# KiCad board main.kicad_pcb (continued)
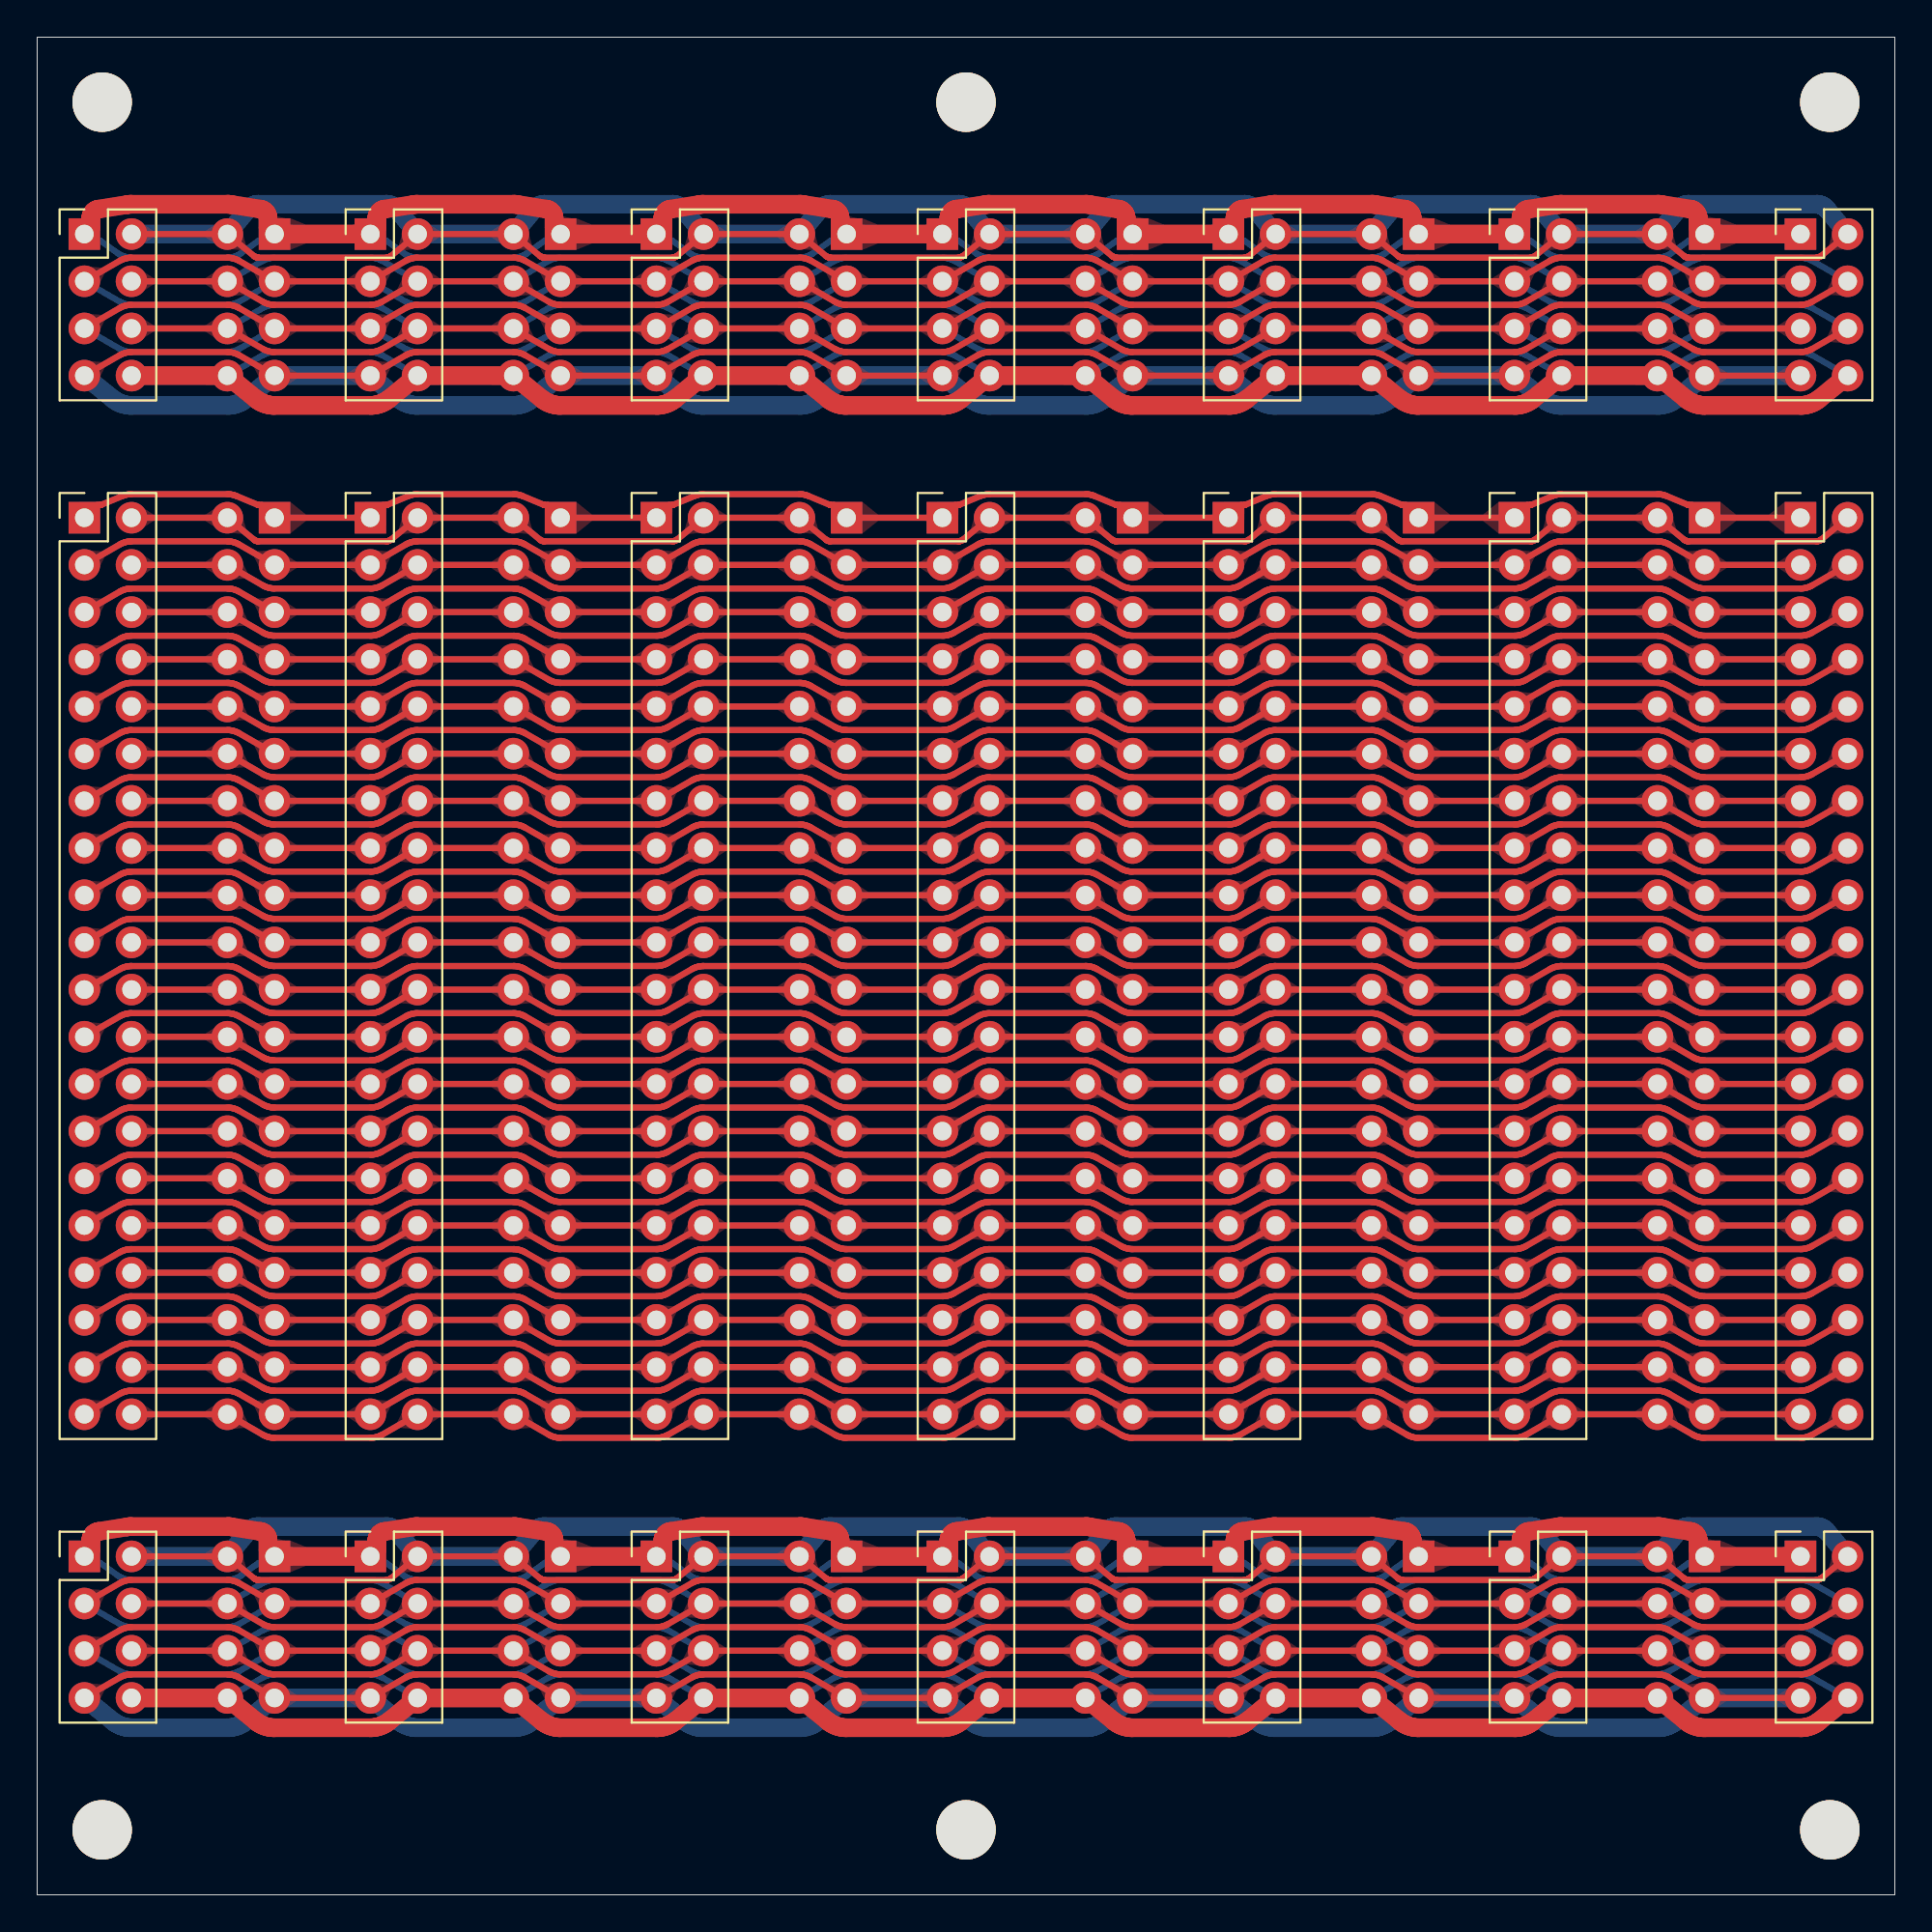
[diagram p0: board, top side]
## Routing (per net, layer and track width the routed paths; a pad name or vN(x,y) marks a point on that pad's centre or on a via; arc(x,y) is an arc through that point) (continued)
F_D0: length 192.5
  Top w0.33: J3.29 4.45,39.67 4.5,39.7 4.55,39.72 4.61,39.75 4.66,39.77 4.72,39.79 4.78,39.8 4.84,39.82 4.9,39.83 4.96,39.83 5.02,39.84 5.08,39.84 10.24,39.84 10.3,39.84 10.36,39.83 10.42,39.83 10.48,39.82 10.54,39.8 10.6,39.79 10.65,39.77 10.71,39.75 10.77,39.72 10.82,39.7 10.87,39.67 J26.29 J12.29 19.84,39.67 19.9,39.7 19.95,39.72 20.01,39.75 20.06,39.77 20.12,39.79 20.18,39.8 20.24,39.82 20.3,39.83 20.36,39.83 20.42,39.84 20.48,39.84 25.63,39.84 25.7,39.84 25.76,39.83 25.82,39.83 25.88,39.82 25.93,39.8 25.99,39.79 26.05,39.77 26.11,39.75 26.16,39.72 26.22,39.7 26.27,39.67 28.17,38.57 J13.29 35.24,39.67 35.29,39.7 35.35,39.72 35.4,39.75 35.46,39.77 35.52,39.79 35.57,39.8 35.63,39.82 35.69,39.83 35.75,39.83 35.81,39.84 35.87,39.84 41.03,39.84 41.09,39.84 41.15,39.83 41.21,39.83 41.27,39.82 41.33,39.8 41.39,39.79 41.45,39.77 41.5,39.75 41.56,39.72 41.61,39.7 41.67,39.67 J28.29 J11.29 50.64,39.67 50.69,39.7 50.74,39.72 50.8,39.75 50.85,39.77 50.91,39.79 50.97,39.8 51.03,39.82 51.09,39.83 51.15,39.83 51.21,39.84 51.27,39.84 56.43,39.84 56.49,39.84 56.55,39.83 56.61,39.83 56.67,39.82 56.73,39.8 56.79,39.79 56.84,39.77 56.9,39.75 56.96,39.72 57.01,39.7 57.06,39.67 J27.29 J25.29 66.03,39.67 66.09,39.7 66.14,39.72 66.2,39.75 66.25,39.77 66.31,39.79 66.37,39.8 66.43,39.82 66.49,39.83 66.55,39.83 66.61,39.84 66.67,39.84 71.83,39.84 71.89,39.84 71.95,39.83 72.01,39.83 72.07,39.82 72.12,39.8 72.18,39.79 72.24,39.77 72.3,39.75 72.35,39.72 72.41,39.7 72.46,39.67 J38.29 J30.29 81.43,39.67 81.48,39.7 81.54,39.72 81.59,39.75 81.65,39.77 81.71,39.79 81.76,39.8 81.82,39.82 81.88,39.83 81.94,39.83 82,39.84 82.06,39.84 87.22,39.84 87.28,39.84 87.34,39.83 87.4,39.83 87.46,39.82 87.52,39.8 87.58,39.79 87.64,39.77 87.69,39.75 87.75,39.72 87.8,39.7 87.86,39.67 J10.29 J29.29
  Bottom w0.33: J3.29 4.45,39.67 4.5,39.7 4.55,39.72 4.61,39.75 4.66,39.77 4.72,39.79 4.78,39.8 4.84,39.82 4.9,39.83 4.96,39.83 5.02,39.84 5.08,39.84 10.24,39.84 10.3,39.84 10.36,39.83 10.42,39.83 10.48,39.82 10.54,39.8 10.6,39.79 10.65,39.77 10.71,39.75 10.77,39.72 10.82,39.7 10.87,39.67 J26.29 J12.29 19.84,39.67 19.9,39.7 19.95,39.72 20.01,39.75 20.06,39.77 20.12,39.79 20.18,39.8 20.24,39.82 20.3,39.83 20.36,39.83 20.42,39.84 20.48,39.84 25.63,39.84 25.7,39.84 25.76,39.83 25.82,39.83 25.88,39.82 25.93,39.8 25.99,39.79 26.05,39.77 26.11,39.75 26.16,39.72 26.22,39.7 26.27,39.67 28.17,38.57 J13.29 35.24,39.67 35.29,39.7 35.35,39.72 35.4,39.75 35.46,39.77 35.52,39.79 35.57,39.8 35.63,39.82 35.69,39.83 35.75,39.83 35.81,39.84 35.87,39.84 41.03,39.84 41.09,39.84 41.15,39.83 41.21,39.83 41.27,39.82 41.33,39.8 41.39,39.79 41.45,39.77 41.5,39.75 41.56,39.72 41.61,39.7 41.67,39.67 J28.29 J11.29 50.64,39.67 50.69,39.7 50.74,39.72 50.8,39.75 50.85,39.77 50.91,39.79 50.97,39.8 51.03,39.82 51.09,39.83 51.15,39.83 51.21,39.84 51.27,39.84 56.43,39.84 56.49,39.84 56.55,39.83 56.61,39.83 56.67,39.82 56.73,39.8 56.79,39.79 56.84,39.77 56.9,39.75 56.96,39.72 57.01,39.7 57.06,39.67 J27.29 J25.29 66.03,39.67 66.09,39.7 66.14,39.72 66.2,39.75 66.25,39.77 66.31,39.79 66.37,39.8 66.43,39.82 66.49,39.83 66.55,39.83 66.61,39.84 66.67,39.84 71.83,39.84 71.89,39.84 71.95,39.83 72.01,39.83 72.07,39.82 72.12,39.8 72.18,39.79 72.24,39.77 72.3,39.75 72.35,39.72 72.41,39.7 72.46,39.67 J38.29 J30.29 81.43,39.67 81.48,39.7 81.54,39.72 81.59,39.75 81.65,39.77 81.71,39.79 81.76,39.8 81.82,39.82 81.88,39.83 81.94,39.83 82,39.84 82.06,39.84 87.22,39.84 87.28,39.84 87.34,39.83 87.4,39.83 87.46,39.82 87.52,39.8 87.58,39.79 87.64,39.77 87.69,39.75 87.75,39.72 87.8,39.7 87.86,39.67 J10.29 J29.29
F_D1: length 192.5
  Top w0.33: J3.21 4.45,49.83 4.5,49.86 4.55,49.88 4.61,49.91 4.66,49.93 4.72,49.95 4.78,49.96 4.84,49.98 4.9,49.99 4.96,49.99 5.02,50 5.08,50 10.24,50 10.3,50 10.36,49.99 10.42,49.99 10.48,49.98 10.54,49.96 10.6,49.95 10.65,49.93 10.71,49.91 10.77,49.88 10.82,49.86 10.87,49.83 J26.21 J12.21 19.84,49.83 19.9,49.86 19.95,49.88 20.01,49.91 20.06,49.93 20.12,49.95 20.18,49.96 20.24,49.98 20.3,49.99 20.36,49.99 20.42,50 20.48,50 25.63,50 25.7,50 25.76,49.99 25.82,49.99 25.88,49.98 25.93,49.96 25.99,49.95 26.05,49.93 26.11,49.91 26.16,49.88 26.22,49.86 26.27,49.83 J9.21 J13.21 35.24,49.83 35.29,49.86 35.35,49.88 35.4,49.91 35.46,49.93 35.52,49.95 35.57,49.96 35.63,49.98 35.69,49.99 35.75,49.99 35.81,50 35.87,50 41.03,50 41.09,50 41.15,49.99 41.21,49.99 41.27,49.98 41.33,49.96 41.39,49.95 41.45,49.93 41.5,49.91 41.56,49.88 41.61,49.86 41.67,49.83 J28.21 J11.21 50.64,49.83 50.69,49.86 50.74,49.88 50.8,49.91 50.85,49.93 50.91,49.95 50.97,49.96 51.03,49.98 51.09,49.99 51.15,49.99 51.21,50 51.27,50 56.43,50 56.49,50 56.55,49.99 56.61,49.99 56.67,49.98 56.73,49.96 56.79,49.95 56.84,49.93 56.9,49.91 56.96,49.88 57.01,49.86 57.06,49.83 J27.21 J25.21 66.03,49.83 66.09,49.86 66.14,49.88 66.2,49.91 66.25,49.93 66.31,49.95 66.37,49.96 66.43,49.98 66.49,49.99 66.55,49.99 66.61,50 66.67,50 71.83,50 71.89,50 71.95,49.99 72.01,49.99 72.07,49.98 72.12,49.96 72.18,49.95 72.24,49.93 72.3,49.91 72.35,49.88 72.41,49.86 72.46,49.83 J38.21 J30.21 81.43,49.83 81.48,49.86 81.54,49.88 81.59,49.91 81.65,49.93 81.71,49.95 81.76,49.96 81.82,49.98 81.88,49.99 81.94,49.99 82,50 82.06,50 87.22,50 87.28,50 87.34,49.99 87.4,49.99 87.46,49.98 87.52,49.96 87.58,49.95 87.64,49.93 87.69,49.91 87.75,49.88 87.8,49.86 87.86,49.83 J10.21 J29.21
  Bottom w0.33: J3.21 4.45,49.83 4.5,49.86 4.55,49.88 4.61,49.91 4.66,49.93 4.72,49.95 4.78,49.96 4.84,49.98 4.9,49.99 4.96,49.99 5.02,50 5.08,50 10.24,50 10.3,50 10.36,49.99 10.42,49.99 10.48,49.98 10.54,49.96 10.6,49.95 10.65,49.93 10.71,49.91 10.77,49.88 10.82,49.86 10.87,49.83 J26.21 J12.21 19.84,49.83 19.9,49.86 19.95,49.88 20.01,49.91 20.06,49.93 20.12,49.95 20.18,49.96 20.24,49.98 20.3,49.99 20.36,49.99 20.42,50 20.48,50 25.63,50 25.7,50 25.76,49.99 25.82,49.99 25.88,49.98 25.93,49.96 25.99,49.95 26.05,49.93 26.11,49.91 26.16,49.88 26.22,49.86 26.27,49.83 J9.21 J13.21 35.24,49.83 35.29,49.86 35.35,49.88 35.4,49.91 35.46,49.93 35.52,49.95 35.57,49.96 35.63,49.98 35.69,49.99 35.75,49.99 35.81,50 35.87,50 41.03,50 41.09,50 41.15,49.99 41.21,49.99 41.27,49.98 41.33,49.96 41.39,49.95 41.45,49.93 41.5,49.91 41.56,49.88 41.61,49.86 41.67,49.83 J28.21 J11.21 50.64,49.83 50.69,49.86 50.74,49.88 50.8,49.91 50.85,49.93 50.91,49.95 50.97,49.96 51.03,49.98 51.09,49.99 51.15,49.99 51.21,50 51.27,50 56.43,50 56.49,50 56.55,49.99 56.61,49.99 56.67,49.98 56.73,49.96 56.79,49.95 56.84,49.93 56.9,49.91 56.96,49.88 57.01,49.86 57.06,49.83 J27.21 J25.21 66.03,49.83 66.09,49.86 66.14,49.88 66.2,49.91 66.25,49.93 66.31,49.95 66.37,49.96 66.43,49.98 66.49,49.99 66.55,49.99 66.61,50 66.67,50 71.83,50 71.89,50 71.95,49.99 72.01,49.99 72.07,49.98 72.12,49.96 72.18,49.95 72.24,49.93 72.3,49.91 72.35,49.88 72.41,49.86 72.46,49.83 J38.21 J30.21 81.43,49.83 81.48,49.86 81.54,49.88 81.59,49.91 81.65,49.93 81.71,49.95 81.76,49.96 81.82,49.98 81.88,49.99 81.94,49.99 82,50 82.06,50 87.22,50 87.28,50 87.34,49.99 87.4,49.99 87.46,49.98 87.52,49.96 87.58,49.95 87.64,49.93 87.69,49.91 87.75,49.88 87.8,49.86 87.86,49.83 J10.21 J29.21
F_D2: length 192.5
  Top w0.33: J3.31 4.45,37.13 4.5,37.16 4.55,37.18 4.61,37.21 4.66,37.23 4.72,37.25 4.78,37.26 4.84,37.28 4.9,37.29 4.96,37.29 5.02,37.3 5.08,37.3 10.24,37.3 10.3,37.3 10.36,37.29 10.42,37.29 10.48,37.28 10.54,37.26 10.6,37.25 10.65,37.23 10.71,37.21 10.77,37.18 10.82,37.16 10.87,37.13 J26.31 J12.31 19.84,37.13 19.9,37.16 19.95,37.18 20.01,37.21 20.06,37.23 20.12,37.25 20.18,37.26 20.24,37.28 20.3,37.29 20.36,37.29 20.42,37.3 20.48,37.3 25.63,37.3 25.7,37.3 25.76,37.29 25.82,37.29 25.88,37.28 25.93,37.26 25.99,37.25 26.05,37.23 26.11,37.21 26.16,37.18 26.22,37.16 26.27,37.13 28.17,36.03 J13.31 35.24,37.13 35.29,37.16 35.35,37.18 35.4,37.21 35.46,37.23 35.52,37.25 35.57,37.26 35.63,37.28 35.69,37.29 35.75,37.29 35.81,37.3 35.87,37.3 41.03,37.3 41.09,37.3 41.15,37.29 41.21,37.29 41.27,37.28 41.33,37.26 41.39,37.25 41.45,37.23 41.5,37.21 41.56,37.18 41.61,37.16 41.67,37.13 J28.31 J11.31 50.64,37.13 50.69,37.16 50.74,37.18 50.8,37.21 50.85,37.23 50.91,37.25 50.97,37.26 51.03,37.28 51.09,37.29 51.15,37.29 51.21,37.3 51.27,37.3 56.43,37.3 56.49,37.3 56.55,37.29 56.61,37.29 56.67,37.28 56.73,37.26 56.79,37.25 56.84,37.23 56.9,37.21 56.96,37.18 57.01,37.16 57.06,37.13 J27.31 J25.31 66.03,37.13 66.09,37.16 66.14,37.18 66.2,37.21 66.25,37.23 66.31,37.25 66.37,37.26 66.43,37.28 66.49,37.29 66.55,37.29 66.61,37.3 66.67,37.3 71.83,37.3 71.89,37.3 71.95,37.29 72.01,37.29 72.07,37.28 72.12,37.26 72.18,37.25 72.24,37.23 72.3,37.21 72.35,37.18 72.41,37.16 72.46,37.13 J38.31 J30.31 81.43,37.13 81.48,37.16 81.54,37.18 81.59,37.21 81.65,37.23 81.71,37.25 81.76,37.26 81.82,37.28 81.88,37.29 81.94,37.29 82,37.3 82.06,37.3 87.22,37.3 87.28,37.3 87.34,37.29 87.4,37.29 87.46,37.28 87.52,37.26 87.58,37.25 87.64,37.23 87.69,37.21 87.75,37.18 87.8,37.16 87.86,37.13 J10.31 J29.31
  Bottom w0.33: J3.31 4.45,37.13 4.5,37.16 4.55,37.18 4.61,37.21 4.66,37.23 4.72,37.25 4.78,37.26 4.84,37.28 4.9,37.29 4.96,37.29 5.02,37.3 5.08,37.3 10.24,37.3 10.3,37.3 10.36,37.29 10.42,37.29 10.48,37.28 10.54,37.26 10.6,37.25 10.65,37.23 10.71,37.21 10.77,37.18 10.82,37.16 10.87,37.13 J26.31 J12.31 19.84,37.13 19.9,37.16 19.95,37.18 20.01,37.21 20.06,37.23 20.12,37.25 20.18,37.26 20.24,37.28 20.3,37.29 20.36,37.29 20.42,37.3 20.48,37.3 25.63,37.3 25.7,37.3 25.76,37.29 25.82,37.29 25.88,37.28 25.93,37.26 25.99,37.25 26.05,37.23 26.11,37.21 26.16,37.18 26.22,37.16 26.27,37.13 28.17,36.03 J13.31 35.24,37.13 35.29,37.16 35.35,37.18 35.4,37.21 35.46,37.23 35.52,37.25 35.57,37.26 35.63,37.28 35.69,37.29 35.75,37.29 35.81,37.3 35.87,37.3 41.03,37.3 41.09,37.3 41.15,37.29 41.21,37.29 41.27,37.28 41.33,37.26 41.39,37.25 41.45,37.23 41.5,37.21 41.56,37.18 41.61,37.16 41.67,37.13 J28.31 J11.31 50.64,37.13 50.69,37.16 50.74,37.18 50.8,37.21 50.85,37.23 50.91,37.25 50.97,37.26 51.03,37.28 51.09,37.29 51.15,37.29 51.21,37.3 51.27,37.3 56.43,37.3 56.49,37.3 56.55,37.29 56.61,37.29 56.67,37.28 56.73,37.26 56.79,37.25 56.84,37.23 56.9,37.21 56.96,37.18 57.01,37.16 57.06,37.13 J27.31 J25.31 66.03,37.13 66.09,37.16 66.14,37.18 66.2,37.21 66.25,37.23 66.31,37.25 66.37,37.26 66.43,37.28 66.49,37.29 66.55,37.29 66.61,37.3 66.67,37.3 71.83,37.3 71.89,37.3 71.95,37.29 72.01,37.29 72.07,37.28 72.12,37.26 72.18,37.25 72.24,37.23 72.3,37.21 72.35,37.18 72.41,37.16 72.46,37.13 J38.31 J30.31 81.43,37.13 81.48,37.16 81.54,37.18 81.59,37.21 81.65,37.23 81.71,37.25 81.76,37.26 81.82,37.28 81.88,37.29 81.94,37.29 82,37.3 82.06,37.3 87.22,37.3 87.28,37.3 87.34,37.29 87.4,37.29 87.46,37.28 87.52,37.26 87.58,37.25 87.64,37.23 87.69,37.21 87.75,37.18 87.8,37.16 87.86,37.13 J10.31 J29.31
F_D3: length 192.5
  Top w0.33: J29.25 J10.25 87.86,44.75 87.8,44.78 87.75,44.8 87.69,44.83 87.64,44.85 87.58,44.87 87.52,44.88 87.46,44.9 87.4,44.91 87.34,44.91 87.28,44.92 87.22,44.92 82.06,44.92 82,44.92 81.94,44.91 81.88,44.91 81.82,44.9 81.76,44.88 81.71,44.87 81.65,44.85 81.59,44.83 81.54,44.8 81.48,44.78 81.43,44.75 J30.25 J38.25 72.46,44.75 72.41,44.78 72.35,44.8 72.3,44.83 72.24,44.85 72.18,44.87 72.12,44.88 72.07,44.9 72.01,44.91 71.95,44.91 71.89,44.92 71.83,44.92 66.67,44.92 66.61,44.92 66.55,44.91 66.49,44.91 66.43,44.9 66.37,44.88 66.31,44.87 66.25,44.85 66.2,44.83 66.14,44.8 66.09,44.78 66.03,44.75 J25.25 J27.25 57.06,44.75 57.01,44.78 56.96,44.8 56.9,44.83 56.84,44.85 56.79,44.87 56.73,44.88 56.67,44.9 56.61,44.91 56.55,44.91 56.49,44.92 56.43,44.92 51.27,44.92 51.21,44.92 51.15,44.91 51.09,44.91 51.03,44.9 50.97,44.88 50.91,44.87 50.85,44.85 50.8,44.83 50.74,44.8 50.69,44.78 50.64,44.75 J11.25 J28.25 41.67,44.75 41.61,44.78 41.56,44.8 41.5,44.83 41.45,44.85 41.39,44.87 41.33,44.88 41.27,44.9 41.21,44.91 41.15,44.91 41.09,44.92 41.03,44.92 35.87,44.92 35.81,44.92 35.75,44.91 35.69,44.91 35.63,44.9 35.57,44.88 35.52,44.87 35.46,44.85 35.4,44.83 35.35,44.8 35.29,44.78 35.24,44.75 J13.25 28.17,43.65 26.27,44.75 26.22,44.78 26.16,44.8 26.11,44.83 26.05,44.85 25.99,44.87 25.93,44.88 25.88,44.9 25.82,44.91 25.76,44.91 25.7,44.92 25.63,44.92 20.48,44.92 20.42,44.92 20.36,44.91 20.3,44.91 20.24,44.9 20.18,44.88 20.12,44.87 20.06,44.85 20.01,44.83 19.95,44.8 19.9,44.78 19.84,44.75 J12.25 J26.25 10.87,44.75 10.82,44.78 10.77,44.8 10.71,44.83 10.65,44.85 10.6,44.87 10.54,44.88 10.48,44.9 10.42,44.91 10.36,44.91 10.3,44.92 10.24,44.92 5.08,44.92 5.02,44.92 4.96,44.91 4.9,44.91 4.84,44.9 4.78,44.88 4.72,44.87 4.66,44.85 4.61,44.83 4.55,44.8 4.5,44.78 4.45,44.75 J3.25
  Bottom w0.33: J29.25 J10.25 87.86,44.75 87.8,44.78 87.75,44.8 87.69,44.83 87.64,44.85 87.58,44.87 87.52,44.88 87.46,44.9 87.4,44.91 87.34,44.91 87.28,44.92 87.22,44.92 82.06,44.92 82,44.92 81.94,44.91 81.88,44.91 81.82,44.9 81.76,44.88 81.71,44.87 81.65,44.85 81.59,44.83 81.54,44.8 81.48,44.78 81.43,44.75 J30.25 J38.25 72.46,44.75 72.41,44.78 72.35,44.8 72.3,44.83 72.24,44.85 72.18,44.87 72.12,44.88 72.07,44.9 72.01,44.91 71.95,44.91 71.89,44.92 71.83,44.92 66.67,44.92 66.61,44.92 66.55,44.91 66.49,44.91 66.43,44.9 66.37,44.88 66.31,44.87 66.25,44.85 66.2,44.83 66.14,44.8 66.09,44.78 66.03,44.75 J25.25 J27.25 57.06,44.75 57.01,44.78 56.96,44.8 56.9,44.83 56.84,44.85 56.79,44.87 56.73,44.88 56.67,44.9 56.61,44.91 56.55,44.91 56.49,44.92 56.43,44.92 51.27,44.92 51.21,44.92 51.15,44.91 51.09,44.91 51.03,44.9 50.97,44.88 50.91,44.87 50.85,44.85 50.8,44.83 50.74,44.8 50.69,44.78 50.64,44.75 J11.25 J28.25 41.67,44.75 41.61,44.78 41.56,44.8 41.5,44.83 41.45,44.85 41.39,44.87 41.33,44.88 41.27,44.9 41.21,44.91 41.15,44.91 41.09,44.92 41.03,44.92 35.87,44.92 35.81,44.92 35.75,44.91 35.69,44.91 35.63,44.9 35.57,44.88 35.52,44.87 35.46,44.85 35.4,44.83 35.35,44.8 35.29,44.78 35.24,44.75 J13.25 28.17,43.65 26.27,44.75 26.22,44.78 26.16,44.8 26.11,44.83 26.05,44.85 25.99,44.87 25.93,44.88 25.88,44.9 25.82,44.91 25.76,44.91 25.7,44.92 25.63,44.92 20.48,44.92 20.42,44.92 20.36,44.91 20.3,44.91 20.24,44.9 20.18,44.88 20.12,44.87 20.06,44.85 20.01,44.83 19.95,44.8 19.9,44.78 19.84,44.75 J12.25 J26.25 10.87,44.75 10.82,44.78 10.77,44.8 10.71,44.83 10.65,44.85 10.6,44.87 10.54,44.88 10.48,44.9 10.42,44.91 10.36,44.91 10.3,44.92 10.24,44.92 5.08,44.92 5.02,44.92 4.96,44.91 4.9,44.91 4.84,44.9 4.78,44.88 4.72,44.87 4.66,44.85 4.61,44.83 4.55,44.8 4.5,44.78 4.45,44.75 J3.25
F_D4: length 192.5
  Top w0.33: J3.17 4.45,54.91 4.5,54.94 4.55,54.96 4.61,54.99 4.66,55.01 4.72,55.03 4.78,55.04 4.84,55.06 4.9,55.07 4.96,55.07 5.02,55.08 5.08,55.08 10.24,55.08 10.3,55.08 10.36,55.07 10.42,55.07 10.48,55.06 10.54,55.04 10.6,55.03 10.65,55.01 10.71,54.99 10.77,54.96 10.82,54.94 10.87,54.91 J26.17 J12.17 19.84,54.91 19.9,54.94 19.95,54.96 20.01,54.99 20.06,55.01 20.12,55.03 20.18,55.04 20.24,55.06 20.3,55.07 20.36,55.07 20.42,55.08 20.48,55.08 25.63,55.08 25.7,55.08 25.76,55.07 25.82,55.07 25.88,55.06 25.93,55.04 25.99,55.03 26.05,55.01 26.11,54.99 26.16,54.96 26.22,54.94 26.27,54.91 J9.17 J13.17 35.24,54.91 35.29,54.94 35.35,54.96 35.4,54.99 35.46,55.01 35.52,55.03 35.57,55.04 35.63,55.06 35.69,55.07 35.75,55.07 35.81,55.08 35.87,55.08 41.03,55.08 41.09,55.08 41.15,55.07 41.21,55.07 41.27,55.06 41.33,55.04 41.39,55.03 41.45,55.01 41.5,54.99 41.56,54.96 41.61,54.94 41.67,54.91 J28.17 J11.17 50.64,54.91 50.69,54.94 50.74,54.96 50.8,54.99 50.85,55.01 50.91,55.03 50.97,55.04 51.03,55.06 51.09,55.07 51.15,55.07 51.21,55.08 51.27,55.08 56.43,55.08 56.49,55.08 56.55,55.07 56.61,55.07 56.67,55.06 56.73,55.04 56.79,55.03 56.84,55.01 56.9,54.99 56.96,54.96 57.01,54.94 57.06,54.91 J27.17 J25.17 66.03,54.91 66.09,54.94 66.14,54.96 66.2,54.99 66.25,55.01 66.31,55.03 66.37,55.04 66.43,55.06 66.49,55.07 66.55,55.07 66.61,55.08 66.67,55.08 71.83,55.08 71.89,55.08 71.95,55.07 72.01,55.07 72.07,55.06 72.12,55.04 72.18,55.03 72.24,55.01 72.3,54.99 72.35,54.96 72.41,54.94 72.46,54.91 J38.17 J30.17 81.43,54.91 81.48,54.94 81.54,54.96 81.59,54.99 81.65,55.01 81.71,55.03 81.76,55.04 81.82,55.06 81.88,55.07 81.94,55.07 82,55.08 82.06,55.08 87.22,55.08 87.28,55.08 87.34,55.07 87.4,55.07 87.46,55.06 87.52,55.04 87.58,55.03 87.64,55.01 87.69,54.99 87.75,54.96 87.8,54.94 87.86,54.91 J10.17 J29.17
  Bottom w0.33: J3.17 4.45,54.91 4.5,54.94 4.55,54.96 4.61,54.99 4.66,55.01 4.72,55.03 4.78,55.04 4.84,55.06 4.9,55.07 4.96,55.07 5.02,55.08 5.08,55.08 10.24,55.08 10.3,55.08 10.36,55.07 10.42,55.07 10.48,55.06 10.54,55.04 10.6,55.03 10.65,55.01 10.71,54.99 10.77,54.96 10.82,54.94 10.87,54.91 J26.17 J12.17 19.84,54.91 19.9,54.94 19.95,54.96 20.01,54.99 20.06,55.01 20.12,55.03 20.18,55.04 20.24,55.06 20.3,55.07 20.36,55.07 20.42,55.08 20.48,55.08 25.63,55.08 25.7,55.08 25.76,55.07 25.82,55.07 25.88,55.06 25.93,55.04 25.99,55.03 26.05,55.01 26.11,54.99 26.16,54.96 26.22,54.94 26.27,54.91 J9.17 J13.17 35.24,54.91 35.29,54.94 35.35,54.96 35.4,54.99 35.46,55.01 35.52,55.03 35.57,55.04 35.63,55.06 35.69,55.07 35.75,55.07 35.81,55.08 35.87,55.08 41.03,55.08 41.09,55.08 41.15,55.07 41.21,55.07 41.27,55.06 41.33,55.04 41.39,55.03 41.45,55.01 41.5,54.99 41.56,54.96 41.61,54.94 41.67,54.91 J28.17 J11.17 50.64,54.91 50.69,54.94 50.74,54.96 50.8,54.99 50.85,55.01 50.91,55.03 50.97,55.04 51.03,55.06 51.09,55.07 51.15,55.07 51.21,55.08 51.27,55.08 56.43,55.08 56.49,55.08 56.55,55.07 56.61,55.07 56.67,55.06 56.73,55.04 56.79,55.03 56.84,55.01 56.9,54.99 56.96,54.96 57.01,54.94 57.06,54.91 J27.17 J25.17 66.03,54.91 66.09,54.94 66.14,54.96 66.2,54.99 66.25,55.01 66.31,55.03 66.37,55.04 66.43,55.06 66.49,55.07 66.55,55.07 66.61,55.08 66.67,55.08 71.83,55.08 71.89,55.08 71.95,55.07 72.01,55.07 72.07,55.06 72.12,55.04 72.18,55.03 72.24,55.01 72.3,54.99 72.35,54.96 72.41,54.94 72.46,54.91 J38.17 J30.17 81.43,54.91 81.48,54.94 81.54,54.96 81.59,54.99 81.65,55.01 81.71,55.03 81.76,55.04 81.82,55.06 81.88,55.07 81.94,55.07 82,55.08 82.06,55.08 87.22,55.08 87.28,55.08 87.34,55.07 87.4,55.07 87.46,55.06 87.52,55.04 87.58,55.03 87.64,55.01 87.69,54.99 87.75,54.96 87.8,54.94 87.86,54.91 J10.17 J29.17
F_D5: length 192.5
  Top w0.33: J3.27 4.45,42.21 4.5,42.24 4.55,42.26 4.61,42.29 4.66,42.31 4.72,42.33 4.78,42.34 4.84,42.36 4.9,42.37 4.96,42.37 5.02,42.38 5.08,42.38 10.24,42.38 10.3,42.38 10.36,42.37 10.42,42.37 10.48,42.36 10.54,42.34 10.6,42.33 10.65,42.31 10.71,42.29 10.77,42.26 10.82,42.24 10.87,42.21 J26.27 J12.27 19.84,42.21 19.9,42.24 19.95,42.26 20.01,42.29 20.06,42.31 20.12,42.33 20.18,42.34 20.24,42.36 20.3,42.37 20.36,42.37 20.42,42.38 20.48,42.38 25.63,42.38 25.7,42.38 25.76,42.37 25.82,42.37 25.88,42.36 25.93,42.34 25.99,42.33 26.05,42.31 26.11,42.29 26.16,42.26 26.22,42.24 26.27,42.21 28.17,41.11 J13.27 35.24,42.21 35.29,42.24 35.35,42.26 35.4,42.29 35.46,42.31 35.52,42.33 35.57,42.34 35.63,42.36 35.69,42.37 35.75,42.37 35.81,42.38 35.87,42.38 41.03,42.38 41.09,42.38 41.15,42.37 41.21,42.37 41.27,42.36 41.33,42.34 41.39,42.33 41.45,42.31 41.5,42.29 41.56,42.26 41.61,42.24 41.67,42.21 J28.27 J11.27 50.64,42.21 50.69,42.24 50.74,42.26 50.8,42.29 50.85,42.31 50.91,42.33 50.97,42.34 51.03,42.36 51.09,42.37 51.15,42.37 51.21,42.38 51.27,42.38 56.43,42.38 56.49,42.38 56.55,42.37 56.61,42.37 56.67,42.36 56.73,42.34 56.79,42.33 56.84,42.31 56.9,42.29 56.96,42.26 57.01,42.24 57.06,42.21 J27.27 J25.27 66.03,42.21 66.09,42.24 66.14,42.26 66.2,42.29 66.25,42.31 66.31,42.33 66.37,42.34 66.43,42.36 66.49,42.37 66.55,42.37 66.61,42.38 66.67,42.38 71.83,42.38 71.89,42.38 71.95,42.37 72.01,42.37 72.07,42.36 72.12,42.34 72.18,42.33 72.24,42.31 72.3,42.29 72.35,42.26 72.41,42.24 72.46,42.21 J38.27 J30.27 81.43,42.21 81.48,42.24 81.54,42.26 81.59,42.29 81.65,42.31 81.71,42.33 81.76,42.34 81.82,42.36 81.88,42.37 81.94,42.37 82,42.38 82.06,42.38 87.22,42.38 87.28,42.38 87.34,42.37 87.4,42.37 87.46,42.36 87.52,42.34 87.58,42.33 87.64,42.31 87.69,42.29 87.75,42.26 87.8,42.24 87.86,42.21 J10.27 J29.27
  Bottom w0.33: J29.27 J10.27 87.86,42.21 87.8,42.24 87.75,42.26 87.69,42.29 87.64,42.31 87.58,42.33 87.52,42.34 87.46,42.36 87.4,42.37 87.34,42.37 87.28,42.38 87.22,42.38 82.06,42.38 82,42.38 81.94,42.37 81.88,42.37 81.82,42.36 81.76,42.34 81.71,42.33 81.65,42.31 81.59,42.29 81.54,42.26 81.48,42.24 81.43,42.21 J30.27 J38.27 72.46,42.21 72.41,42.24 72.35,42.26 72.3,42.29 72.24,42.31 72.18,42.33 72.12,42.34 72.07,42.36 72.01,42.37 71.95,42.37 71.89,42.38 71.83,42.38 66.67,42.38 66.61,42.38 66.55,42.37 66.49,42.37 66.43,42.36 66.37,42.34 66.31,42.33 66.25,42.31 66.2,42.29 66.14,42.26 66.09,42.24 66.03,42.21 J25.27 J27.27 57.06,42.21 57.01,42.24 56.96,42.26 56.9,42.29 56.84,42.31 56.79,42.33 56.73,42.34 56.67,42.36 56.61,42.37 56.55,42.37 56.49,42.38 56.43,42.38 51.27,42.38 51.21,42.38 51.15,42.37 51.09,42.37 51.03,42.36 50.97,42.34 50.91,42.33 50.85,42.31 50.8,42.29 50.74,42.26 50.69,42.24 50.64,42.21 J11.27 J28.27 41.67,42.21 41.61,42.24 41.56,42.26 41.5,42.29 41.45,42.31 41.39,42.33 41.33,42.34 41.27,42.36 41.21,42.37 41.15,42.37 41.09,42.38 41.03,42.38 35.87,42.38 35.81,42.38 35.75,42.37 35.69,42.37 35.63,42.36 35.57,42.34 35.52,42.33 35.46,42.31 35.4,42.29 35.35,42.26 35.29,42.24 35.24,42.21 J13.27 28.17,41.11 26.27,42.21 26.22,42.24 26.16,42.26 26.11,42.29 26.05,42.31 25.99,42.33 25.93,42.34 25.88,42.36 25.82,42.37 25.76,42.37 25.7,42.38 25.63,42.38 20.48,42.38 20.42,42.38 20.36,42.37 20.3,42.37 20.24,42.36 20.18,42.34 20.12,42.33 20.06,42.31 20.01,42.29 19.95,42.26 19.9,42.24 19.84,42.21 J12.27 J26.27 10.87,42.21 10.82,42.24 10.77,42.26 10.71,42.29 10.65,42.31 10.6,42.33 10.54,42.34 10.48,42.36 10.42,42.37 10.36,42.37 10.3,42.38 10.24,42.38 5.08,42.38 5.02,42.38 4.96,42.37 4.9,42.37 4.84,42.36 4.78,42.34 4.72,42.33 4.66,42.31 4.61,42.29 4.55,42.26 4.5,42.24 4.45,42.21 J3.27
F_D6: length 192.5
  Top w0.33: J3.23 4.45,47.29 4.5,47.32 4.55,47.34 4.61,47.37 4.66,47.39 4.72,47.41 4.78,47.42 4.84,47.44 4.9,47.45 4.96,47.45 5.02,47.46 5.08,47.46 10.24,47.46 10.3,47.46 10.36,47.45 10.42,47.45 10.48,47.44 10.54,47.42 10.6,47.41 10.65,47.39 10.71,47.37 10.77,47.34 10.82,47.32 10.87,47.29 J26.23 J12.23 19.84,47.29 19.9,47.32 19.95,47.34 20.01,47.37 20.06,47.39 20.12,47.41 20.18,47.42 20.24,47.44 20.3,47.45 20.36,47.45 20.42,47.46 20.48,47.46 25.63,47.46 25.7,47.46 25.76,47.45 25.82,47.45 25.88,47.44 25.93,47.42 25.99,47.41 26.05,47.39 26.11,47.37 26.16,47.34 26.22,47.32 26.27,47.29 J9.23 J13.23 35.24,47.29 35.29,47.32 35.35,47.34 35.4,47.37 35.46,47.39 35.52,47.41 35.57,47.42 35.63,47.44 35.69,47.45 35.75,47.45 35.81,47.46 35.87,47.46 41.03,47.46 41.09,47.46 41.15,47.45 41.21,47.45 41.27,47.44 41.33,47.42 41.39,47.41 41.45,47.39 41.5,47.37 41.56,47.34 41.61,47.32 41.67,47.29 J28.23 J11.23 50.64,47.29 50.69,47.32 50.74,47.34 50.8,47.37 50.85,47.39 50.91,47.41 50.97,47.42 51.03,47.44 51.09,47.45 51.15,47.45 51.21,47.46 51.27,47.46 56.43,47.46 56.49,47.46 56.55,47.45 56.61,47.45 56.67,47.44 56.73,47.42 56.79,47.41 56.84,47.39 56.9,47.37 56.96,47.34 57.01,47.32 57.06,47.29 J27.23 J25.23 66.03,47.29 66.09,47.32 66.14,47.34 66.2,47.37 66.25,47.39 66.31,47.41 66.37,47.42 66.43,47.44 66.49,47.45 66.55,47.45 66.61,47.46 66.67,47.46 71.83,47.46 71.89,47.46 71.95,47.45 72.01,47.45 72.07,47.44 72.12,47.42 72.18,47.41 72.24,47.39 72.3,47.37 72.35,47.34 72.41,47.32 72.46,47.29 J38.23 J30.23 81.43,47.29 81.48,47.32 81.54,47.34 81.59,47.37 81.65,47.39 81.71,47.41 81.76,47.42 81.82,47.44 81.88,47.45 81.94,47.45 82,47.46 82.06,47.46 87.22,47.46 87.28,47.46 87.34,47.45 87.4,47.45 87.46,47.44 87.52,47.42 87.58,47.41 87.64,47.39 87.69,47.37 87.75,47.34 87.8,47.32 87.86,47.29 J10.23 J29.23
  Bottom w0.33: J29.23 J10.23 87.86,47.29 87.8,47.32 87.75,47.34 87.69,47.37 87.64,47.39 87.58,47.41 87.52,47.42 87.46,47.44 87.4,47.45 87.34,47.45 87.28,47.46 87.22,47.46 82.06,47.46 82,47.46 81.94,47.45 81.88,47.45 81.82,47.44 81.76,47.42 81.71,47.41 81.65,47.39 81.59,47.37 81.54,47.34 81.48,47.32 81.43,47.29 J30.23 J38.23 72.46,47.29 72.41,47.32 72.35,47.34 72.3,47.37 72.24,47.39 72.18,47.41 72.12,47.42 72.07,47.44 72.01,47.45 71.95,47.45 71.89,47.46 71.83,47.46 66.67,47.46 66.61,47.46 66.55,47.45 66.49,47.45 66.43,47.44 66.37,47.42 66.31,47.41 66.25,47.39 66.2,47.37 66.14,47.34 66.09,47.32 66.03,47.29 J25.23 J27.23 57.06,47.29 57.01,47.32 56.96,47.34 56.9,47.37 56.84,47.39 56.79,47.41 56.73,47.42 56.67,47.44 56.61,47.45 56.55,47.45 56.49,47.46 56.43,47.46 51.27,47.46 51.21,47.46 51.15,47.45 51.09,47.45 51.03,47.44 50.97,47.42 50.91,47.41 50.85,47.39 50.8,47.37 50.74,47.34 50.69,47.32 50.64,47.29 J11.23 J28.23 41.67,47.29 41.61,47.32 41.56,47.34 41.5,47.37 41.45,47.39 41.39,47.41 41.33,47.42 41.27,47.44 41.21,47.45 41.15,47.45 41.09,47.46 41.03,47.46 35.87,47.46 35.81,47.46 35.75,47.45 35.69,47.45 35.63,47.44 35.57,47.42 35.52,47.41 35.46,47.39 35.4,47.37 35.35,47.34 35.29,47.32 35.24,47.29 J13.23 J9.23 26.27,47.29 26.22,47.32 26.16,47.34 26.11,47.37 26.05,47.39 25.99,47.41 25.93,47.42 25.88,47.44 25.82,47.45 25.76,47.45 25.7,47.46 25.63,47.46 20.48,47.46 20.42,47.46 20.36,47.45 20.3,47.45 20.24,47.44 20.18,47.42 20.12,47.41 20.06,47.39 20.01,47.37 19.95,47.34 19.9,47.32 19.84,47.29 J12.23 J26.23 10.87,47.29 10.82,47.32 10.77,47.34 10.71,47.37 10.65,47.39 10.6,47.41 10.54,47.42 10.48,47.44 10.42,47.45 10.36,47.45 10.3,47.46 10.24,47.46 5.08,47.46 5.02,47.46 4.96,47.45 4.9,47.45 4.84,47.44 4.78,47.42 4.72,47.41 4.66,47.39 4.61,47.37 4.55,47.34 4.5,47.32 4.45,47.29 J3.23
F_D7: length 192.5
  Top w0.33: J29.19 J10.19 87.86,52.37 87.8,52.4 87.75,52.42 87.69,52.45 87.64,52.47 87.58,52.49 87.52,52.5 87.46,52.52 87.4,52.53 87.34,52.53 87.28,52.54 87.22,52.54 82.06,52.54 82,52.54 81.94,52.53 81.88,52.53 81.82,52.52 81.76,52.5 81.71,52.49 81.65,52.47 81.59,52.45 81.54,52.42 81.48,52.4 81.43,52.37 J30.19 J38.19 72.46,52.37 72.41,52.4 72.35,52.42 72.3,52.45 72.24,52.47 72.18,52.49 72.12,52.5 72.07,52.52 72.01,52.53 71.95,52.53 71.89,52.54 71.83,52.54 66.67,52.54 66.61,52.54 66.55,52.53 66.49,52.53 66.43,52.52 66.37,52.5 66.31,52.49 66.25,52.47 66.2,52.45 66.14,52.42 66.09,52.4 66.03,52.37 J25.19 J27.19 57.06,52.37 57.01,52.4 56.96,52.42 56.9,52.45 56.84,52.47 56.79,52.49 56.73,52.5 56.67,52.52 56.61,52.53 56.55,52.53 56.49,52.54 56.43,52.54 51.27,52.54 51.21,52.54 51.15,52.53 51.09,52.53 51.03,52.52 50.97,52.5 50.91,52.49 50.85,52.47 50.8,52.45 50.74,52.42 50.69,52.4 50.64,52.37 J11.19 J28.19 41.67,52.37 41.61,52.4 41.56,52.42 41.5,52.45 41.45,52.47 41.39,52.49 41.33,52.5 41.27,52.52 41.21,52.53 41.15,52.53 41.09,52.54 41.03,52.54 35.87,52.54 35.81,52.54 35.75,52.53 35.69,52.53 35.63,52.52 35.57,52.5 35.52,52.49 35.46,52.47 35.4,52.45 35.35,52.42 35.29,52.4 35.24,52.37 J13.19 J9.19 26.27,52.37 26.22,52.4 26.16,52.42 26.11,52.45 26.05,52.47 25.99,52.49 25.93,52.5 25.88,52.52 25.82,52.53 25.76,52.53 25.7,52.54 25.63,52.54 20.48,52.54 20.42,52.54 20.36,52.53 20.3,52.53 20.24,52.52 20.18,52.5 20.12,52.49 20.06,52.47 20.01,52.45 19.95,52.42 19.9,52.4 19.84,52.37 J12.19 J26.19 10.87,52.37 10.82,52.4 10.77,52.42 10.71,52.45 10.65,52.47 10.6,52.49 10.54,52.5 10.48,52.52 10.42,52.53 10.36,52.53 10.3,52.54 10.24,52.54 5.08,52.54 5.02,52.54 4.96,52.53 4.9,52.53 4.84,52.52 4.78,52.5 4.72,52.49 4.66,52.47 4.61,52.45 4.55,52.42 4.5,52.4 4.45,52.37 J3.19